# Altium PCB BTTC测试控制板.PcbDoc (continued)
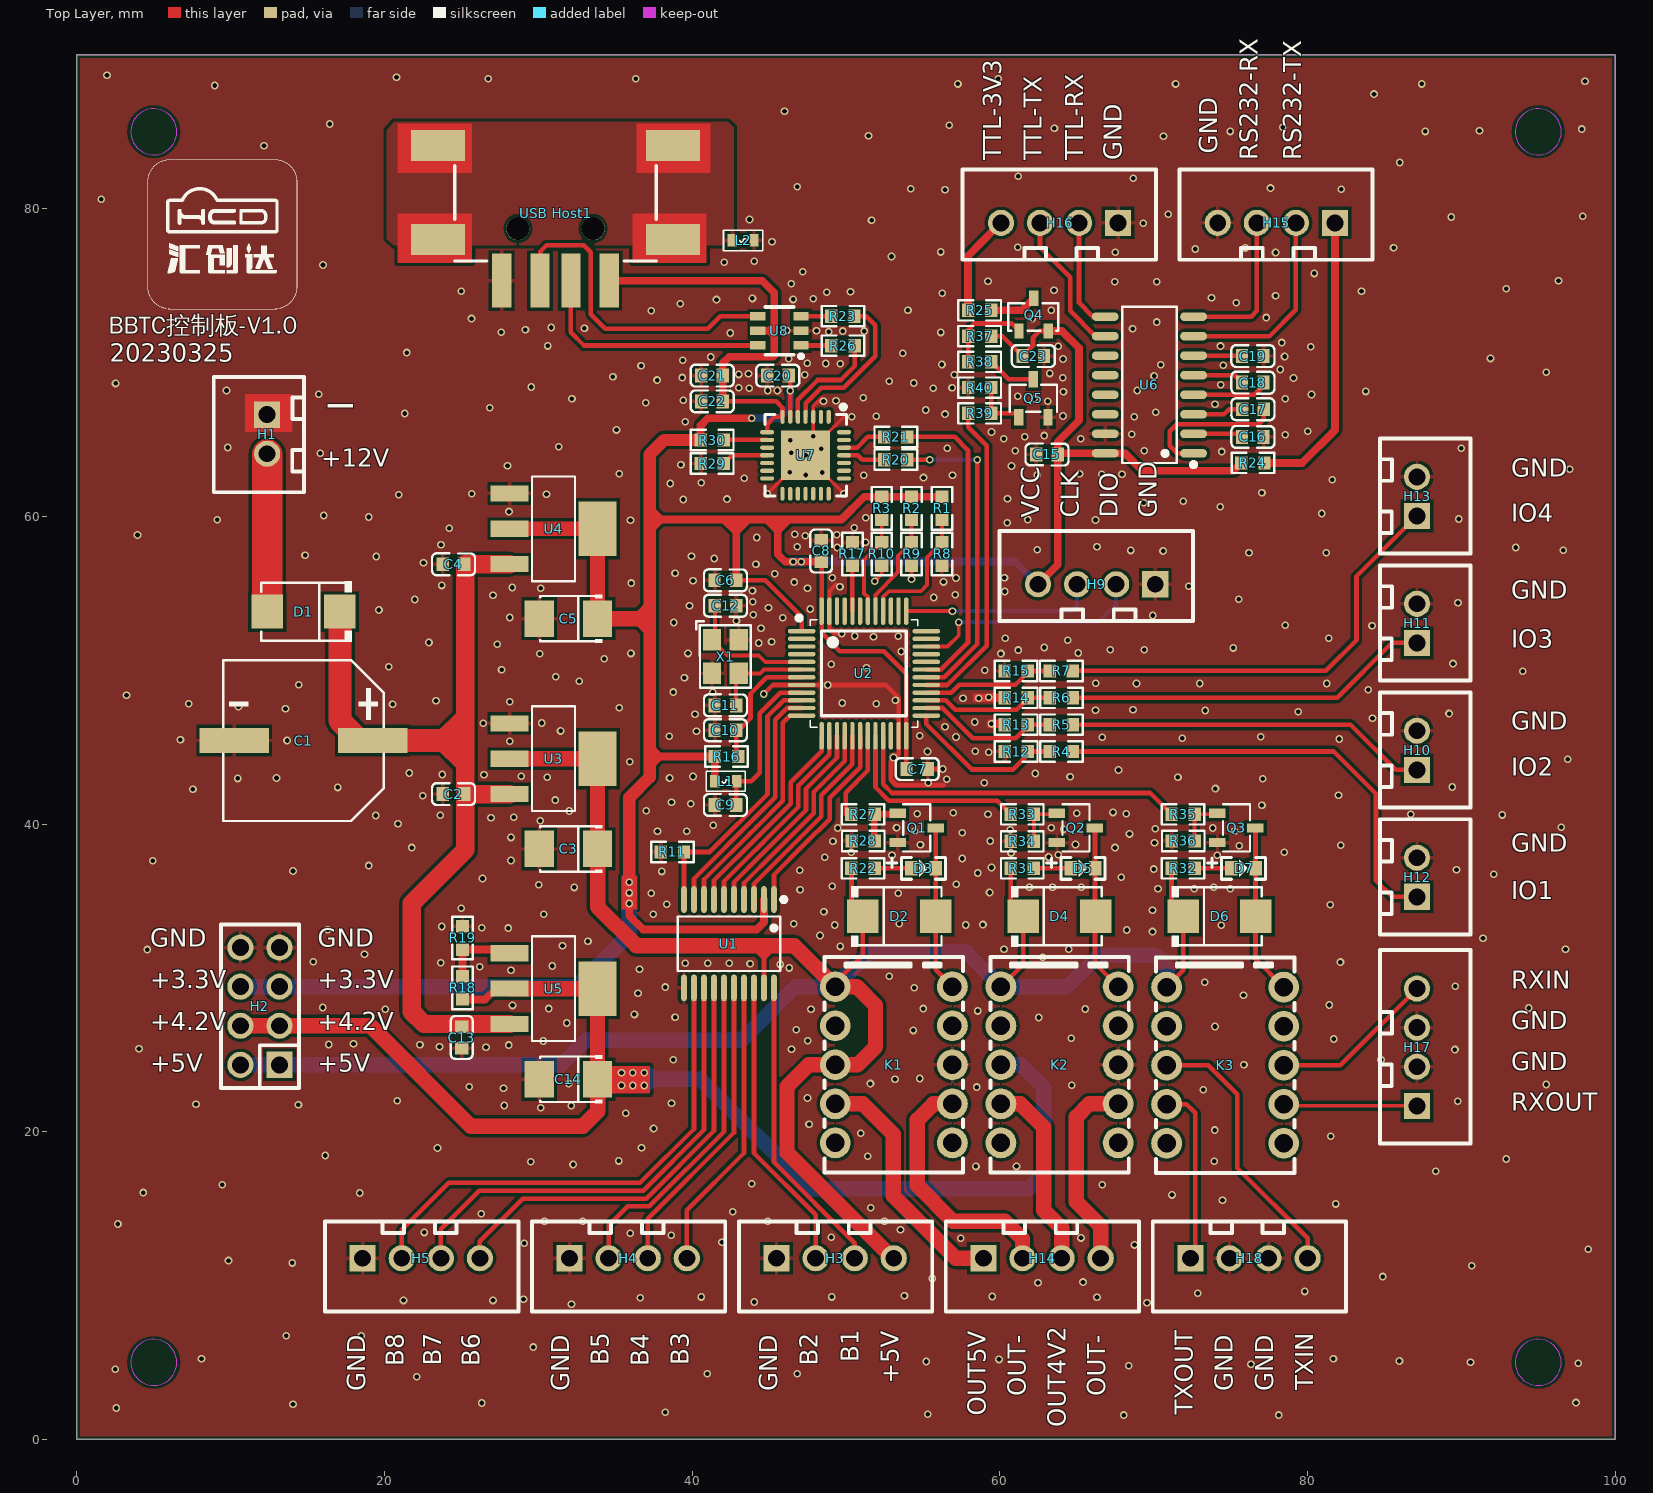
[diagram p0: Top Layer view]
## Nets (pads, with @x,y where several pads share a name; then routed paths per layer and width w, separated by ;. In a path a pad name is that pad's centre, name@x,y a point inside that pad or via, vN(x,y) a via of type N, cw(c..) or ccw(c..) an arc to the next point about the centre after c; other vN are vias at no path point) (continued)
  Top Layer w1.5: D1.1 17.093,46.723 18.39,45.426 C1.1 24.79,45.426
GND: "USB Host1.4" C1.2 C2.2 C3.2 C4.2 C5.2 C6.2 C7.1 C8.2 C9.2 C10.2 C11.2 C12.2 C13.2 C14.2 C15.2 C16.1 C19.1 C20.1 C21.2 C22.2 C23.1 H1.1 H2.7 H2.8 H3.1 H4.1 H5.1 H9.1 H10.2 H11.2 H12.2 H13.2 H15.4 H16.1 H17.2 H17.3 H18.2 H18.3 K1.8 K2.8 L2.2 Q1.2 Q2.2 Q3.2 Q5.2 R8.2 R9.2 R10.2 R11.2 R12.2 R13.2 R14.2 R15.2 R17.2 R19.2 R28.1 R29.1 R34.1 R36.1 R40.1 U1.11 U2.8 U2.23 U2.47 U3.1 U4.1 U6.15 U7.3 U7.29 U8.2 X1.2 X1.4 | length 40.5
  Top Layer w0.2: v1(44.871,61.468) v1(47.371,63.968) ; v1(49.871,61.468) v1(47.371,63.968) ; 49.871,66.468 v1(47.371,63.968)
  Top Layer w0.25: 49.352,55.586 48.917,55.151 U2.47 48.917,52.719 49.251,52.386 v1(49.733,52.386)
  Top Layer w0.254: U7.29@47.872,64.469 U7.3 47.872,67.172 48.401,67.702 ; v1(51.867,55.789) 52.324,56.246 R10.2 ; v1@51.867,55.912 ccw(c51.867,56.209) 52.077,55.999 ccw(c52.287,55.789) v1@51.99,55.789 ; v1@54.173,56.009 ccw(c53.963,56.219) 54.26,56.219 ccw(c54.557,56.219) v1@54.347,56.009 ; v1(54.26,55.922) R9.2
  Top Layer w0.3: v1(44.653,48.449) 45.243,49.038 U2.8 52.573,49.038 53.417,48.194 U2.23 53.417,44.58 52.917,44.08 52.917,42.877 53.28,42.514 56.347,42.514 ; C7.1 v1(56.284,43.575)
  other v1: 68.047,1.575 78.13,1.575 55.321,1.626 38.252,1.753 2.565,2.032 14.046,2.286 26.314,2.362 97.46,2.388 22.098,4.075 40.97,4.253 46.838,4.253 2.489,4.557 68.377,4.786 76.327,4.877 97.612,4.938 90.602,5.015 55.22,5.055 85.979,5.091 59.944,5.192 8.103,5.243 81.686,5.232 29.667,5.994 18.491,6.716 13.614,6.731 32.156,8.774 69.571,8.875 44.044,8.926 21.234,9.028 27.051,9.028 29.032,9.104 36.627,9.206 66.319,9.231 40.589,9.256 49.073,9.256 59.512,9.282 53.797,9.333 72.873,9.485 79.832,9.612 62.484,10.171 65.405,10.222 55.604,10.45 84.887,10.577 90.678,11.288 13.995,11.466 9.855,11.619 98.247,12.355 68.758,12.635 29.083,12.736 41.935,12.812 57.455,13.066 65.278,13.092 49.047,13.143 38.633,13.27 35.966,13.397 22.581,13.447 53.543,13.625 2.667,13.995 30.404,14.171 32.893,14.171 44.907,14.171 52.502,14.171 26.289,14.667 42.647,14.794 51.613,15.048 81.839,15.302 74.473,15.53 71.196,15.886 18.39,16.013 4.318,16.038 9.449,16.546 66.65,16.546 43.866,16.622 88.341,17.435 58.445,17.74 61.087,17.74 32.258,17.867 29.515,18.045 73.939,18.07 35.23,18.096 92.913,18.223 51.41,18.4 16.154,18.451 23.444,18.934 36.703,18.959 81.509,19.696 50.952,19.899 73.965,20.102 37.49,20.204 47.6,20.483 35.687,21.194 30.15,21.55 32.131,21.677 27.788,21.702 14.402,21.753 7.747,21.779 38.659,21.855 89.764,21.982 20.828,22.007 47.498,22.185 73.228,22.718 27.737,22.82 58.496,22.896 25.502,22.922 64.668,23.023 95.529,23.063 31.979,23.125 51.587,23.125 53.188,23.404 54.788,23.455 75.87,24.344 38.76,24.674 84.785,24.674 89.586,25.335 46.457,25.36 4.039,25.385 26.594,25.487 23.571,25.512 22.301,25.639 28.067,25.629 16.383,25.665 17.983,25.705 30.328,25.896 47.523,25.919 81.712,26.02 64.643,26.071 54.381,26.579 46.761,26.63 73.99,26.833 31.852,27.062 62.535,27.417 38.887,27.443 36.246,27.621 58.572,27.849 20.041,27.951 47.727,27.951 65.557,27.976 30.683,28.002 55.016,28.002 94.386,28.042 15.977,28.067 28.321,28.205 81.407,28.23 75.844,28.865 36.474,28.992 54.432,29.348 38.252,29.399 89.611,29.449 73.33,29.703 52.807,30.11 28.219,30.491 36.576,30.567 46.304,30.643 26.187,30.719 30.912,30.77 45.719,30.872 43.764,30.923 39.548,30.948 41.021,30.948 42.418,30.948 23.647,30.973 82.144,31.024 15.367,31.039 62.789,31.344 18.694,31.532 4.572,31.837 60.274,31.862 64.491,31.862 96.774,31.862 49.632,32.04 31.572,32.091 33.223,32.37 91.415,32.563 48.311,32.751 69.926,33.005 68.25,33.107 16.307,33.132 28.042,33.234 26.314,33.259 23.724,33.336 74.397,33.412 49.276,33.437 57.785,33.437 58.903,33.463 46.609,33.513 53.467,33.513 30.353,34.123 37.465,34.123 48.565,34.301 69.926,34.402 24.994,34.529 81.483,34.758 38.354,34.783 37.338,35.495 53.391,35.495 59.334,35.545 47.015,35.723 70.282,35.799 72.644,35.796 74.981,35.796 32.334,35.876 61.925,35.882 63.424,35.882 65.303,35.882 73.914,35.882 49.098,35.952 30.023,36.053 57.175,36.079 26.365,36.46 67.894,36.536 92.1,36.739 58.572,36.815 38.024,36.917 14.046,36.942 46.99,36.993 89.687,37.019 70.002,37.069 59.461,37.171 18.974,37.298 4.928,37.603 28.219,37.628 57.556,37.755 48.616,37.831 63.17,37.852 52.993,37.959 74.13,37.959 63.805,38.009 60.731,38.119 50.343,38.166 78.486,38.162 21.768,38.466 67.488,38.466 75.565,38.593 82.169,38.619 54.839,38.644 64.917,38.665 70.053,38.771 49.149,38.873 59.372,38.895 28.219,39.127 68.428,39.355 57.556,39.432 54.459,39.521 75.262,39.521 37.744,39.533 39.649,39.533 60.681,39.634 64.15,39.66 70.104,39.686 49.454,39.736 73.838,39.736 53.289,39.762 63.348,39.762 96.495,39.787 41.377,39.914 20.879,40.016 30.124,40.219 26.924,40.397 28.397,40.448 19.431,40.549 23.622,40.575 92.659,40.589 59.233,40.625 86.716,40.64 54.635,40.676 68.224,40.676 64.999,40.702 56.972,40.727 67.361,40.752 32.004,40.843 37.008,40.854 77.038,41.21 39.903,41.311 38.659,41.413 31.09,41.554 22.479,41.845 82.017,41.87 7.544,42.251 74.016,42.302 16.967,42.378 89.408,42.403 55.347,42.692 58.979,42.672 56.54,42.901 77.089,42.937 10.465,42.962 12.979,42.988 38.532,42.988 30.582,43.038 71.577,43.038 40.056,43.089 64.567,43.078 28.88,43.104 23.749,43.216 26.467,43.205 62.306,43.282 21.615,43.318 67.716,43.51 35.941,44.044 96.926,44.207 53.086,44.323 59.285,44.66 55.296,44.715 58.395,44.729 28.143,45.375 13.665,45.426 6.731,45.477 82.067,45.528 71.857,45.578 57.15,45.655 66.65,45.644 76.962,45.68 38.506,45.705 54.788,45.731 40.284,46.036 31.445,46.05 56.439,46.315 59.462,46.515 26.416,46.544 30.226,46.569 58.369,46.634 84.226,46.874 40.183,47.128 89.205,47.179 79.4,47.306 73.355,47.382 66.218,47.396 68.656,47.433 13.564,47.483 35.255,47.56 10.509,47.641 20.523,47.788 7.264,47.814 51.968,47.814 49.759,47.864 28.143,47.941 23.343,48.017 53.213,48.042 57.607,48.184 58.623,48.184 59.284,48.235 3.226,48.372 38.76,48.576 41.329,48.566 83.947,48.728 48.819,49.038 14.427,49.058 68.885,49.134 73,49.134 81.255,49.134 66.243,49.149 32.664,49.287 39.497,49.515 31.14,49.581 94.005,49.922 59.03,49.987 27.61,50.023 51.333,50.15 20.269,50.227 49.047,50.379 89.459,50.43 34.29,50.749 30.099,51.065 36.017,51.09 39.726,51.09 60.071,51.079 65.1,51.116 53.594,51.217 61.189,51.308 69.393,51.319 67.183,51.333 75.184,51.446 62.89,51.471 27.33,51.689 44.323,51.765 22.885,51.801 45.161,51.852 64.414,51.943 60.35,52.07 81.382,52.081 51.791,52.172 53.391,52.208 50.571,52.222 44.475,52.716 84.201,52.894 78.562,52.919 38.811,53.097 42.875,53.213 45.898,53.402 28.143,53.427 69.952,53.554 43.967,53.594 19.634,53.91 47.676,53.975 44.958,54.051 39.827,54.189 89.789,54.392 43.942,54.458 21.971,54.595 75.54,54.61 55.702,54.722 27.051,54.875 57.099,54.9 60.325,55.118 43.917,55.169 30.15,55.332 47.498,55.321 28.296,55.372 49.606,55.423 72.288,55.459 23.724,55.51 36.043,55.662 46.634,55.728 56.337,55.738 40.056,55.815 57.15,55.992 49.098,56.007 60.3,56.007 45.364,56.272 38.887,56.297 44.145,56.896 22.53,56.983 41.427,57.262 19.456,57.389 39.954,57.415 14.834,57.466 76.2,57.643 81.229,57.643 70.612,57.745 68.504,57.785 96.622,57.796 62.433,57.836 49.428,57.974 93.548,57.974 46.838,58.024 66.319,58.024 23.673,58.151 51.266,58.319 44.196,58.623 47.346,58.736 3.937,58.786 49.403,58.812 46.66,58.837 24.206,59.218 50.546,59.269 60.477,59.588 35.992,59.752 9.119,59.777 66.218,59.766 61.824,59.792 89.84,59.828 51.283,59.904 18.974,59.955 16.053,60.056 80.924,60.183 28.092,60.31 74.32,60.615 69.367,60.884 71.933,60.985 39.421,61.098 42.266,61.123 60.503,61.138 20.93,61.403 30.531,61.428 25.679,61.479 77.038,61.544 38.583,62.139 40.589,62.19 81.61,62.382 43.383,62.469 55.042,62.52 51.156,62.673 56.921,62.673 47.371,62.688 62.433,62.687 66.624,62.738 67.945,62.738 35.255,62.774 65.176,62.763 48.463,62.85 46.355,62.876 97.053,63.054 27.991,63.282 60.757,63.271 39.268,63.358 15.824,64.095 46.431,64.146 74.422,64.211 61.011,64.262 69.393,64.273 48.387,64.4 56.591,64.425 89.992,64.425 9.804,64.476 31.318,64.527 46.38,64.959 60.249,65.049 65.253,65.049 61.62,65.176 47.872,65.213 62.89,65.253 78.562,65.314 68.58,65.34 59.461,65.481 80.01,65.532 35.077,65.619 39.548,66.152 50.368,66.483 68.732,66.483 51.968,66.508 64.11,66.523 56.439,66.65 21.311,66.686 70.129,66.762 55.194,66.914 26.848,67.067 73.99,67.285 36.982,67.386 48.539,67.488 63.119,67.488 49.352,67.513 39.421,67.549 32.182,67.651 62.23,67.64 78.558,67.638 51.13,67.702 61.163,67.818 15.723,67.93 80.264,67.92 64.135,68.097 83.795,68.123 9.728,68.184 44.907,68.184 45.542,68.184 68.936,68.184 43.713,68.337 55.677,68.326 43.028,68.362 56.896,68.351 29.54,68.413 74.371,68.555 2.515,68.642 54.407,68.667 52.807,68.783 37.719,68.859 79.096,68.997 39.345,69.023 64.084,69.012 34.849,69.073 70.028,69.124 47.32,69.2 43.028,69.226 57.048,69.215 43.663,69.277 63.246,69.291 95.529,69.378 78.232,69.545 36.678,69.799 74.524,69.825 70.46,69.85 56.236,69.875 49.632,69.912 48.692,69.937 47.473,69.962 39.395,70.155 46.279,70.242 64.11,70.231 91.897,70.267 41.199,70.358 78.511,70.394 53.696,70.612 21.438,70.648 80.213,71.018 63.807,71.052 30.607,71.08 74.346,71.069 78.334,71.298 42.469,71.918 27.584,71.969 56.159,71.958 48.87,72.009 49.784,72.045 51.181,72.045 48.082,72.071 46.148,72.084 29.159,72.136 68.631,72.198 32.995,72.223 30.836,72.274 70.206,72.629 25.654,72.858 62.103,72.847 77.318,72.923 37.338,73.376 54.026,73.391 63.348,73.406 39.218,73.812 75.362,73.889 41.58,74.092 46.558,74.103 47.879,74.153 43.917,74.168 73.762,74.219 77.927,74.346 56.261,74.498 48.743,74.56 50.292,74.611 24.994,74.636 83.515,74.625 63.525,74.701 92.913,74.788 46.431,75.119 67.462,75.246 70.206,75.246 59.233,75.286 96.317,75.322 80.442,75.794 47.193,75.906 16.002,76.338 42.088,76.516 44.044,76.592 52.959,76.897 77.927,77.151 67.513,77.176 56.159,77.191 72.695,77.379 75.946,77.451 85.598,77.455 61.163,77.495 45.187,77.862 69.317,79.056 51.664,79.259 43.725,79.297 89.357,79.462 97.892,79.513 70.942,79.64 1.575,80.605 56.439,81.24 82.194,81.265 54.204,81.305 77.597,81.342 46.838,81.418 68.682,81.977 61.189,82.104 86.004,83.007 12.167,84.085 70.637,84.72 51.46,84.745 74.981,85.025 87.655,85.025 91.186,85.075 97.841,85.177 63.551,85.228 78.384,85.304 56.718,85.431 16.434,85.507 45.999,86.345 84.328,87.452 8.966,88.011 57.277,88.113 71.425,88.113 87.427,88.113 98.044,88.29 26.746,88.443 36.322,88.443 59.893,88.443 20.777,88.544 1.956,88.671
IO1: H12.1 R4.1 | length 29.6
  Top Layer w0.3: R4.1@64.758,44.715 81.711,44.715 84.455,41.972 84.455,36.32 85.509,35.266 H12.1
IO1-1: R4.2 R12.1 U2.25 | length 10.5
  Top Layer w0.3: U2.25 55.217,46.501 58.172,43.546 59.614,43.546 ; 59.969,43.546 59.614,43.546 ; R12.1 61.816,44.493 60.869,43.546 59.614,43.546 ; R12.1@62.028,44.712 R4.2
IO2: H10.1 R5.1 | length 23.6
  Top Layer w0.3: R5.1@64.74,46.461 82.798,46.461 85.738,43.521 H10.1
IO2-1: R5.2 R13.1 U2.26 | length 11.1
  Top Layer w0.3: U2.26 56.287,47.538 58.25,45.575 61.035,45.575 ; 59.136,45.575 61.035,45.575 ; R5.2 61.918,46.457 61.035,45.575
IO3: H11.1 R6.1 | length 23.8
  Top Layer w0.3: R6.1@64.758,48.207 81.927,48.207 85.496,51.776 H11.1
IO3-1: R6.2 R14.1 U2.27 | length 8.6
  Top Layer w0.3: U2.27 56.494,48.038 57.11,47.421 61.086,47.421 61.868,48.203 R6.2
IO4: H13.1 R7.1 | length 29
  Top Layer w0.3: R7.1@64.732,49.953 81.184,49.953 83.185,51.954 83.185,56.094 H13.1
IO4-1: R7.2 R15.1 U2.28 | length 8.6
  Top Layer w0.3: U2.28 56.844,48.538 57.364,49.058 61.019,49.058 61.91,49.949 R7.2
NetC9_1: C9.1 L1.1 U2.9 | length 10.4
  Top Layer w0.3: C9.1 42.856,42.745 L1.1 43.833,42.777 44.399,43.343 44.399,47.204 45.733,48.538 U2.9
NetC10_1: C10.1 R16.2 U2.7 | length 8.1
  Top Layer w0.3: R16.2@42.856,44.538 42.856,45.94 43.79,46.874 43.79,48.474 44.854,49.538 U2.7
NetC16_2: C16.2 U6.2 | length 3.2
  Top Layer w0.3: U6.2 75.622,65.365 C16.2@75.746,65.241
NetC17_1: C17.1 U6.3 | length 3.3
  Top Layer w0.3: U6.3 74.574,66.635 74.902,66.962 C17.1
NetC17_2: C17.2 U6.1 | length 14.5
  Top Layer w0.3: U6.1 71.526,64.095 71.044,64.578 71.044,65.524 71.515,65.995 ; 76.194,65.995 71.515,65.995 ; C17.2 77.162,66.325 76.832,65.995 71.515,65.995
NetC18_1: C18.1 U6.4 | length 5
  Top Layer w0.3: U6.4 72.605,67.895 76.546,67.895 77.146,68.496 C18.1
NetC18_2: C18.2 U6.5 | length 3.3
  Top Layer w0.3: U6.5 75.266,69.175 C18.2
NetC19_2: C19.2 U6.6 | length 3.1
  Top Layer w0.3: U6.6 C19.2@75.724,70.445
NetD1_2: D1.2 H1.2 | length 10.2
  Top Layer w2: D1.2@12.37,53.806 H1.2@12.37,64.019
NetD2_2: D2.2 D3.2 K1.10 Q1.3 | length 10.8
  Top Layer w0.3: Q1.3 55.826,30.519 K1.10
NetD3_1: D3.1 R22.1 | length 2.6
  Top Layer w0.3: R22.1@51.607,37.12 D3.1
NetD4_2: D4.2 D5.2 K2.10 Q2.3 | length 10.9
  Top Layer w0.3: Q2.3 66.185,30.93 K2.10
NetD5_1: D5.1 R31.1 | length 2.4
  Top Layer w0.3: R31.1 D5.1
NetD6_2: D6.2 D7.2 K3.10 Q3.3 | length 11.1
  Top Layer w0.3: Q3.3 76.62,31.24 K3.10
NetD7_1: D7.1 R32.1 | length 2.4
  Top Layer w0.3: R32.1 D7.1
NetH15_1: H15.1 R24.1 | length 18.9
  Top Layer w0.5: R24.1 79.654,63.475 81.788,65.608 H15.1
NetL2_1: "USB Host1.Shell" L2.1
NetQ1_1: Q1.1 R27.1 R28.2 | length 3.1
  Top Layer w0.4: R28.2@51.841,39.147 51.841,40.632 Q1.1@53.473,40.632
NetQ2_1: Q2.1 R33.1 R34.2 | length 3.2
  Top Layer w0.254: R34.2 R33.1 Q2.1@63.654,40.632
NetQ3_1: Q3.1 R35.1 R36.2 | length 3.1
  Top Layer w0.254: R36.2@72.667,38.909 R35.1 Q3.1@74.089,40.632
NetQ4_G: Q4.G R37.2 R38.1 | length 5.8
  Top Layer w0.3: R38.1 R37.2 57.937,72.133 58.344,72.539 60.766,72.539 Q4.G
NetQ5_1: Q5.1 R39.1 R40.2 | length 3.2
  Top Layer w0.3: R40.2 R39.1 Q5.1@60.972,66.697
NetQ5_3: Q5.3 R38.2 | length 3.2
  Top Layer w0.3: R38.2 60.577,68.91 Q5.3
NetR1_2: R1.2 R8.1 U2.40 | length 8.7
  Top Layer w0.254: U2.40 52.417,54.758 52.787,55.129 54.864,55.129 55.27,55.535 55.27,57.336 R8.1 R1.2
NetR2_2: R2.2 R9.1 U2.41 | length 6.9
  Top Layer w0.254: U2.41 51.917,54.9 53.391,56.374 53.391,57.438 R9.1 R2.2
NetR3_2: R3.2 R10.1 U2.42 | length 6.5
  Top Layer w0.254: U2.42 51.417,54.758 51.178,54.997 51.178,57.161 R10.1 R3.2
NetR17_1: R17.1 U2.44 | length 3.1
  Top Layer w0.3: U2.44 R17.1@50.417,56.919
NetR18_2: R18.2 R19.1 U5.1 | length 4.6
  Top Layer w0.5: R18.2 R19.1 U5.1@27.89,31.837
NetR29_2: R29.2 U7.11 | length 3
  Top Layer w0.3: R29.2 42.587,63.968 U7.11
NetR30_2: R30.2 U7.9 | length 2.8
  Top Layer w0.3: R30.2@42.064,64.969 U7.9
OE: R11.1 U1.10 U2.10 | length 18
  Top Layer w0.3: U1.10@39.468,35.266 U1.10 R11.1 41.146,38.183 44.899,41.936 44.899,46.997 45.94,48.038 U2.10
OIN: C12.1 U2.5 X1.1 | length 8.4
  Top Layer w0.254: X1.1@41.289,51.975 42.304,50.96 44.326,50.96 44.748,50.538 U2.5 ; X1.1@41.472,52.17 C12.1
OOUT: C11.1 U2.6 X1.3 | length 6.1
  Top Layer w0.254: C11.1 X1.3@42.856,49.604 ; X1.3 44.428,49.787 44.679,50.038 U2.6
PC-RXD: H15.3 U6.8 | length 10
  Top Layer w0.3: U6.8 76.338,72.985 76.708,73.355 H15.3
PC-TXD: H15.2 U6.7 | length 13
  Top Layer w0.3: U6.7 77.532,71.715 79.248,73.431 H15.2
"POWER  4V2": R33.2 U2.20 | length 12.9
  Top Layer w0.3: U2.20 51.917,42.379 52.781,41.514 59.824,41.514 R33.2
"POWER  5V": R27.2 U2.19 | length 5.7
  Top Layer w0.3: R27.2@49.973,40.632 49.973,42.033 51.417,43.477 U2.19
"POWER  TTL": R39.2 U2.29 | length 20.6
  Top Layer w0.3: U2.29 56.584,49.038 59.139,51.593 59.139,64.592 57.937,65.794 R39.2
RX: R21.1 U2.31 | length 20.2
  Top Layer w0.3: R21.1 57.073,65.163 57.928,64.308 57.928,51.796 56.17,50.038 U2.31
"RX -IN": H17.4 K3.8 | length 10.7
  Top Layer w0.3: K3.8 82.144,24.319 H17.4
"RX -OUT": H17.1 K3.7 | length 9.1
  Top Layer w0.254: K3.7@78.105,21.804 K3.7@78.461,21.804 ; K3.7 78.555,21.684 87.115,21.684 H17.1
RXD: R20.2 U7.25 | length 2.7
  Top Layer w0.3: U7.25 50.774,63.968 51.054,63.689 R20.2
SWCLK: H9.3 U2.37 | length 13.6
  Top Layer w0.254: U2.37 v1(56.921,53.838) ; v1@56.834,53.751 ccw(c56.624,53.541) 56.624,53.838 ccw(c56.624,54.135) v1@56.834,53.925
  Bottom Layer w0.254: v1(56.921,53.838) 64.648,53.838 65.024,54.214 H9.3 ; v1@57.008,53.751 cw(c57.218,53.541) 57.218,53.838 cw(c57.218,54.135) v1@57.008,53.925
SWDIO: H9.2 U2.34 | length 17.3
  Top Layer w0.254: U2.34 56.607,51.538 57.328,52.259 v1(57.328,53.122) ; v1@57.241,53.035 cw(c57.031,52.825) 57.328,52.825 cw(c57.625,52.825) v1@57.415,53.035
  Bottom Layer w0.254: v1(57.328,53.122) 66.421,53.122 67.564,54.265 ; v1@57.415,53.035 cw(c57.625,52.825) 57.625,53.122 cw(c57.625,53.419) v1@57.415,53.209 ; 66.802,53.503 67.564,54.265 ; H9.2 67.564,54.265
TTL-3V3: Q4.D R25.2 | length 3.1
  Top Layer w0.5: R25.2 61.424,73.39 Q4.D
TTL-RX: H16.2 U6.9 | length 7.3
  Top Layer w0.3: H16.2 65.151,73.874 66.04,72.985 U6.9
TTL-TX: H16.3 U6.10 | length 9.5
  Top Layer w0.3: H16.3 62.611,77.495 64.567,75.54 64.567,73.355 66.207,71.715 U6.10
TX: R20.1 U2.30 | length 20.8
  Top Layer w0.3: R20.1 v1(55.448,63.689) ; U2.30 56.377,49.538 58.539,51.7 v1(58.539,63.689)
  Bottom Layer w0.3: v1(55.448,63.689) v1(58.539,63.689)
"TX -IN": H18.4 K3.3 | length 17.9
  Top Layer w0.3: K3.3 73.558,24.319 75.438,22.439 75.438,17.638 80.01,13.066 H18.4
"TX -OUT": H18.1 K3.4 | length 11.7
  Top Layer w0.254: H18.1@72.542,11.923 H18.1@72.695,11.771
  Top Layer w0.3: K3.4 72.136,21.779 72.695,21.22 H18.1@72.695,11.771
"TX/RX  OUT": R35.2 U2.21 | length 22.7
  Top Layer w0.3: U2.21 52.417,42.586 52.988,42.014 69.778,42.014 R35.2
TXD: R21.2 U7.26 | length 2.9
  Top Layer w0.3: U7.26 50.716,64.469 51.41,65.163 R21.2
USB_5V: "USB Host1.1" C21.1 C22.1 U7.7 U7.8 U8.5 | length 29.5
  Top Layer w0.3: C22.1 45.463,67.476 45.87,67.069 U7.7 ; U7.8@44.871,65.543 44.871,65.989 45.35,66.468 U7.7@45.847,66.468
  Top Layer w0.5: 34.615,75.326 44.547,75.326 45.339,74.534 45.339,70.446 45.277,70.384 42.408,70.384 41.993,69.969 C21.1 C22.1 ; U8.5 45.339,72.059 ; 45.329,71.73 45,72.059 45.339,72.398
USB_D+: R23.1 U8.3 | length 2
  Top Layer w0.3: U8.3 R23.1@49.046,73.009
USB_D-: R26.1 U8.1 | length 2
  Top Layer w0.3: U8.1 R26.1@49.038,71.109
USB_H_D+_I: "USB Host1.3" U8.4 | length 21.2
  Top Layer w0.3: 30.115,75.326 30.115,77.217 30.531,77.633 32.944,77.633 33.401,77.176 33.401,73.137 34.341,72.198 41.021,72.198 41.832,73.009 U8.4
USB_H_D-_I: "USB Host1.2" U8.6 | length 15.9
  Top Layer w0.3: 32.115,75.326 32.115,71.96 32.966,71.109 U8.6
VCC-3V3: C5.1 C6.1 C7.2 C8.1 C15.1 C20.2 C23.2 H2.5 H2.6 H9.4 L1.2 Q4.S R1.1 R2.1 R3.1 R16.1 R24.2 R30.1 R37.1 U1.2 U2.1 U2.24 U2.48 U4.2 U4.4 U6.16 U7.6 | length 214.8
  Top Layer w0.3: C6.1 44.752,55.843 47.117,53.478 U2.1 ; U7.6 v1(46.37,68.159) C20.2@46.37,69.052 ; C8.1@48.417,57.038 U2.48 48.417,52.432 49.606,51.243 52.451,51.243 53.917,49.777 U2.24 C7.2@53.917,43.585 ; R37.1 60.176,71.717 C23.2 62.154,71.103 62.154,71.599 62.605,72.051 Q4.S
  Top Layer w0.5: v1(35.916,34.834) 35.916,34.033 36.808,33.141 44.205,33.141 44.668,33.604 U1.2 ; 36.991,52.631 36.271,53.351 36.991,54.07 ; 37.16,43.665 37.88,44.385 37.16,45.104 ; 37.236,44.461 37.313,44.385 R16.1 41.465,44.372 L1.2 ; 37.236,59.074 37.956,59.794 ; 37.236,59.625 37.406,59.794 45.568,59.794 ; R30.1 40.547,65.907 41.021,66.381 v1(43.866,66.381) ; 42.136,59.726 42.856,59.007 43.576,59.726 ; C6.1 42.856,59.724 ; 44.848,59.777 45.568,59.057 46.287,59.777 ; C8.1 v1(47.092,57.053) v1(46.558,57.053) 46.057,57.053 45.568,57.542 45.568,59.794 ; R1.1 R2.1 R3.1 51.185,61.272 49.708,59.794 45.568,59.794 ; H9.4 63.76,56.862 C15.1 ; Q4.S 64.039,72.051 65.151,70.939 65.151,66.243 63.76,64.853 63.76,64.472 ; C15.1@63.813,64.095 U6.16 68.137,64.095 69.266,62.967 75.193,62.967 R24.2
  Top Layer w0.8: v1(35.916,34.834) v1(35.916,35.52) v1(35.916,36.206) 35.916,41.718 37.236,43.038 37.236,44.461 37.236,59.625 37.236,64.019 38.176,64.959 R30.1 ; 37.262,44.385 37.313,44.385
  Top Layer w1: C5.1@33.845,53.739 U4.4 U4.4@33.845,59.965 ; C5.1 36.982,53.351
  Bottom Layer w0.5: v1(43.866,66.381) 45.613,66.381 46.37,67.138 v1(46.37,68.159) ; v1@46.685,57.059 61.011,57.059 H9.4
  Bottom Layer w1: H2.6 H2.5 32.487,29.424 35.916,32.853 v1(35.916,34.834) v1(35.916,35.52)
VCC-4V2: C14.1 H2.3 H2.4 K2.3 R18.1 U5.2 U5.4 | length 87.1
  Top Layer w0.5: R18.1 26.554,28.597 27.254,29.297 U5.2
  Top Layer w1: H2.4 H2.3 19.075,26.884 25.603,20.356 32.893,20.356 33.852,21.315 C14.1 ; U5.2 U5.4 C14.1@33.845,23.411
  Bottom Layer w1: 36.704,23.175 cw(c37.258,22.62) 37.258,23.404 ; 36.704,23.659 ccw(c37.32,24.275) 37.32,23.404 ; 37.094,23.128 ccw(c36.601,22.826) 36.601,23.404 ; 37.109,23.735 cw(c36.601,23.96) 36.601,23.404 ; K2.3 61.392,24.344 62.865,22.871 62.865,17.257 61.9,16.292 47.65,16.292 40.538,23.404 36.601,23.404 ; 35.967,23.175 cw(c36.522,22.62) 36.522,23.404 ccw(c36.522,22.62) 35.967,23.175 ; 35.967,23.659 ccw(c36.583,24.275) 36.583,23.404 cw(c36.583,24.275) 35.967,23.659
  other v1: 35.408,22.998 36.144,22.998 36.881,22.998 35.408,23.836 36.144,23.836 36.881,23.836
VCC-4V2-OUT: H14.3 K2.4 | length 12.4
  Top Layer w1: K2.4 61.341,21.804 62.865,20.28 62.865,14.879 64.017,13.727 H14.3
VCC-5V: C3.1 D2.1 D4.1 D6.1 H2.1 H2.2 H3.4 K1.1 K1.3 K2.1 K3.1 R22.2 R31.2 R32.2 U1.19 U3.2 U3.4 | length 154
  Top Layer w0.3: U1.19 44.668,32 ; K1.1@49.048,29.424 51.099,31.475 D2.1 ; D2.1@50.354,34.741 R22.2 ; K2.1 61.513,30.866 D4.1 ; D4.1@60.706,34.803 R31.2 ; K3.1 71.927,30.485 D6.1 ; D6.1@71.16,34.763 R32.2
  Top Layer w0.5: 43.948,32.15 44.668,31.431 45.387,32.15
  Top Layer w1: U3.2 U3.4 C3.1@33.845,38.384 ; C3.1 33.852,34.612 36.373,32.091 46.634,32.091 K1.1 ; K1.1@49.048,29.424 K1.1 ; H3.4 53.035,11.771 46.168,18.639 46.168,22.937 47.574,24.344 K1.3 50.749,24.344 51.918,25.512 51.918,28.205 50.698,29.424 K1.1
  Bottom Layer w1: H2.2 H2.1 31.483,24.344 33.083,25.944 43.231,25.944 46.711,29.424 K1.1 51.562,31.685 57.81,31.685 K2.1 64.389,29.424 66.436,31.471 70.104,31.471 70.841,30.734 K3.1
VCC-5V-OUT: H14.1 K1.4 | length 16.1
  Top Layer w1: K1.4 51.105,21.804 53.061,19.848 53.061,15.835 57.125,11.771 H14.1
pads on no net: "USB Host1.MH1" "USB Host1.MH2" K1.2 K1.5 K1.6 K1.9 K2.2 K2.5 K2.6 K2.9 K3.2 K3.5 K3.6 K3.9 U2.2 U2.3 U2.4 U2.22 U2.32 U2.33 U2.35 U2.36 U2.38 U2.39 U2.43 U2.45 U2.46 U6.11 U6.12 U6.13 U6.14 U7.1 U7.2 U7.10 U7.12 U7.13 U7.14 U7.15 U7.16 U7.17 U7.18 U7.19 U7.20 U7.21 U7.22 U7.23 U7.24 U7.27 U7.28
copper on no net: | length 3.7
  Top Layer w0.5: 37.236,60.514 37.956,59.794 38.075,59.794
  Top Layer w0.8: 23.419,45.426 25.248,47.255

## Polygon pours and split planes (outlines as drawn)
GND on Top Layer "GND" (solid, remove dead copper, pour order 1002): 0,90 100,90 100,0 0,0
NetL2_1 on Top Layer "GND" (solid, remove dead copper, pour order 1003): 20.142,85.103 20.142,78.024 20.563,77.656 20.589,77.633 24.845,77.633 42.219,77.633 42.644,78.004 42.697,78.051 42.697,80.185 42.697,85.312 42.379,85.59 42.299,85.66 22.958,85.66 20.643,85.66 20.563,85.59
GND on Bottom Layer "GND" (solid, remove dead copper, pour order 1004): 0,90 100,90 100,0 0,0

## Keep-outs
Keep-Out Layer:
  circle w0.01: c5,5 r1.5
  circle w0.01: c95,5 r1.5
  circle w0.01: c5,85 r1.5
  circle w0.01: c95,85 r1.5
  lines w0.01: 0,0 100,0 100,90 0,90 0,0

## Other copper
Top Layer:
  rectangle net GND: 58.243,47.93 60.348,48.489
  rectangle net VCC-3V3: 27.812,58.736 34.239,59.673
  rectangle net VCC-4V2: 33.845,22.464 37.262,24.268
  rectangle net VCC-3V3: 35.408,34.453 36.424,36.612
  rectangle net GND: 10.922,65.492 14.01,67.956
  rectangle net NetL2_1: 20.853,82.332 25.679,85.533
  rectangle net NetL2_1: 20.853,76.486 25.679,79.687
  rectangle net NetL2_1: 36.113,76.486 40.939,79.687
  rectangle net NetL2_1: 36.367,82.332 41.193,85.533
  rectangle net GND: 59.183,46.235 60.323,46.794
Bottom Layer:
  rectangle net VCC-3V3: 46.279,56.754 47.396,57.364
  rectangle net VCC-3V3: 35.357,34.453 36.474,36.688
  rectangle net VCC-4V2: 35.052,22.464 37.262,24.268
  rectangle net GND: 10.922,65.492 14.01,67.956

## Silkscreen, mask and mechanical layers (free items; w line width, h text height)
Top Overlay:
  drawing of 15 lines, arcs and shapes, not listed
  text "GND" at 74.524,83.566 h2 r90
  text "TTL-3V3" at 60.477,83.145 h2 r90
  text "TTL-TX" at 63.119,83.145 h2 r90
  text "TTL-RX" at 65.811,83.145 h2 r90
  text "GND" at 68.301,83.147 h2 r90
  text "RS232-RX" at 77.165,83.145 h2 r90
  text "RS232-TX" at 79.985,83.145 h2 r90
  text "BBTC控制板-V1.0" at 2.057,71.476 h2
  text "20230325" at 2.134,69.672 h2
  text "_" at 16.332,67.016 h4
  text "+12V" at 15.9,62.825 h2
  text "GND" at 93.243,62.19 h2
  text "VCC" at 62.967,59.919 h2 r90
  text "CLK" at 65.507,59.919 h2 r90
  text "DIO" at 68.047,59.917 h2 r90
  text "GND" at 70.587,59.919 h2 r90
  text "IO4" at 93.243,59.269 h2
  text "GND" at 93.243,54.24 h2
  text "IO3" at 93.243,51.065 h2
  text "GND" at 93.243,45.731 h2
  text "IO2" at 93.243,42.759 h2
  text "GND" at 93.243,37.806 h2
  text "IO1" at 93.243,34.733 h2
  text "GND" at 4.777,31.634 h2
  text "GND" at 15.646,31.634 h2
  text "+3.3V" at 4.775,28.924 h2
  text "+3.3V" at 15.645,28.924 h2
  text "RXIN" at 93.242,28.891 h2
  text "GND" at 93.243,26.26 h2
  text "+4.2V" at 4.775,26.215 h2
  text "+4.2V" at 15.645,26.215 h2
  text "GND" at 93.243,23.613 h2
  text "+5V" at 4.775,23.506 h2
  text "+5V" at 15.645,23.506 h2
  text "RXOUT" at 93.242,20.966 h2
  text "B1" at 51.207,5.001 h2 r90
  text "B5" at 34.983,4.805 h2 r90
  text "B3" at 40.183,4.807 h2 r90
  text "B2" at 48.563,4.794 h2 r90
  text "B8" at 21.624,4.761 h2 r90
  text "B7" at 24.078,4.772 h2 r90
  text "B6" at 26.568,4.761 h2 r90
  text "B4" at 37.573,4.75 h2 r90
  text "+5V" at 53.823,3.615 h2 r90
  text "TXIN" at 80.772,3.186 h2 r90
  text "GND" at 19.152,3.11 h2 r90
  text "GND" at 32.41,3.11 h2 r90
  text "GND" at 45.923,3.122 h2 r90
  text "GND" at 75.546,3.122 h2 r90
  text "GND" at 78.168,3.122 h2 r90
  text "OUT-" at 62.078,2.792 h2 r90
  text "OUT-" at 67.259,2.792 h2 r90
  text "TXOUT" at 72.923,1.594 h2 r90
  text "OUT5V" at 59.487,1.544 h2 r90
  text "OUT4V2" at 64.668,0.798 h2 r90

## Text inside footprints (layer, text, board x,y; h text height)
"USB Host1": Mechanical 2 "PCB Edge" at 32.815,86.456 h0.61 r180